# Allegro board TubiiPCB_V6.brd (continued)
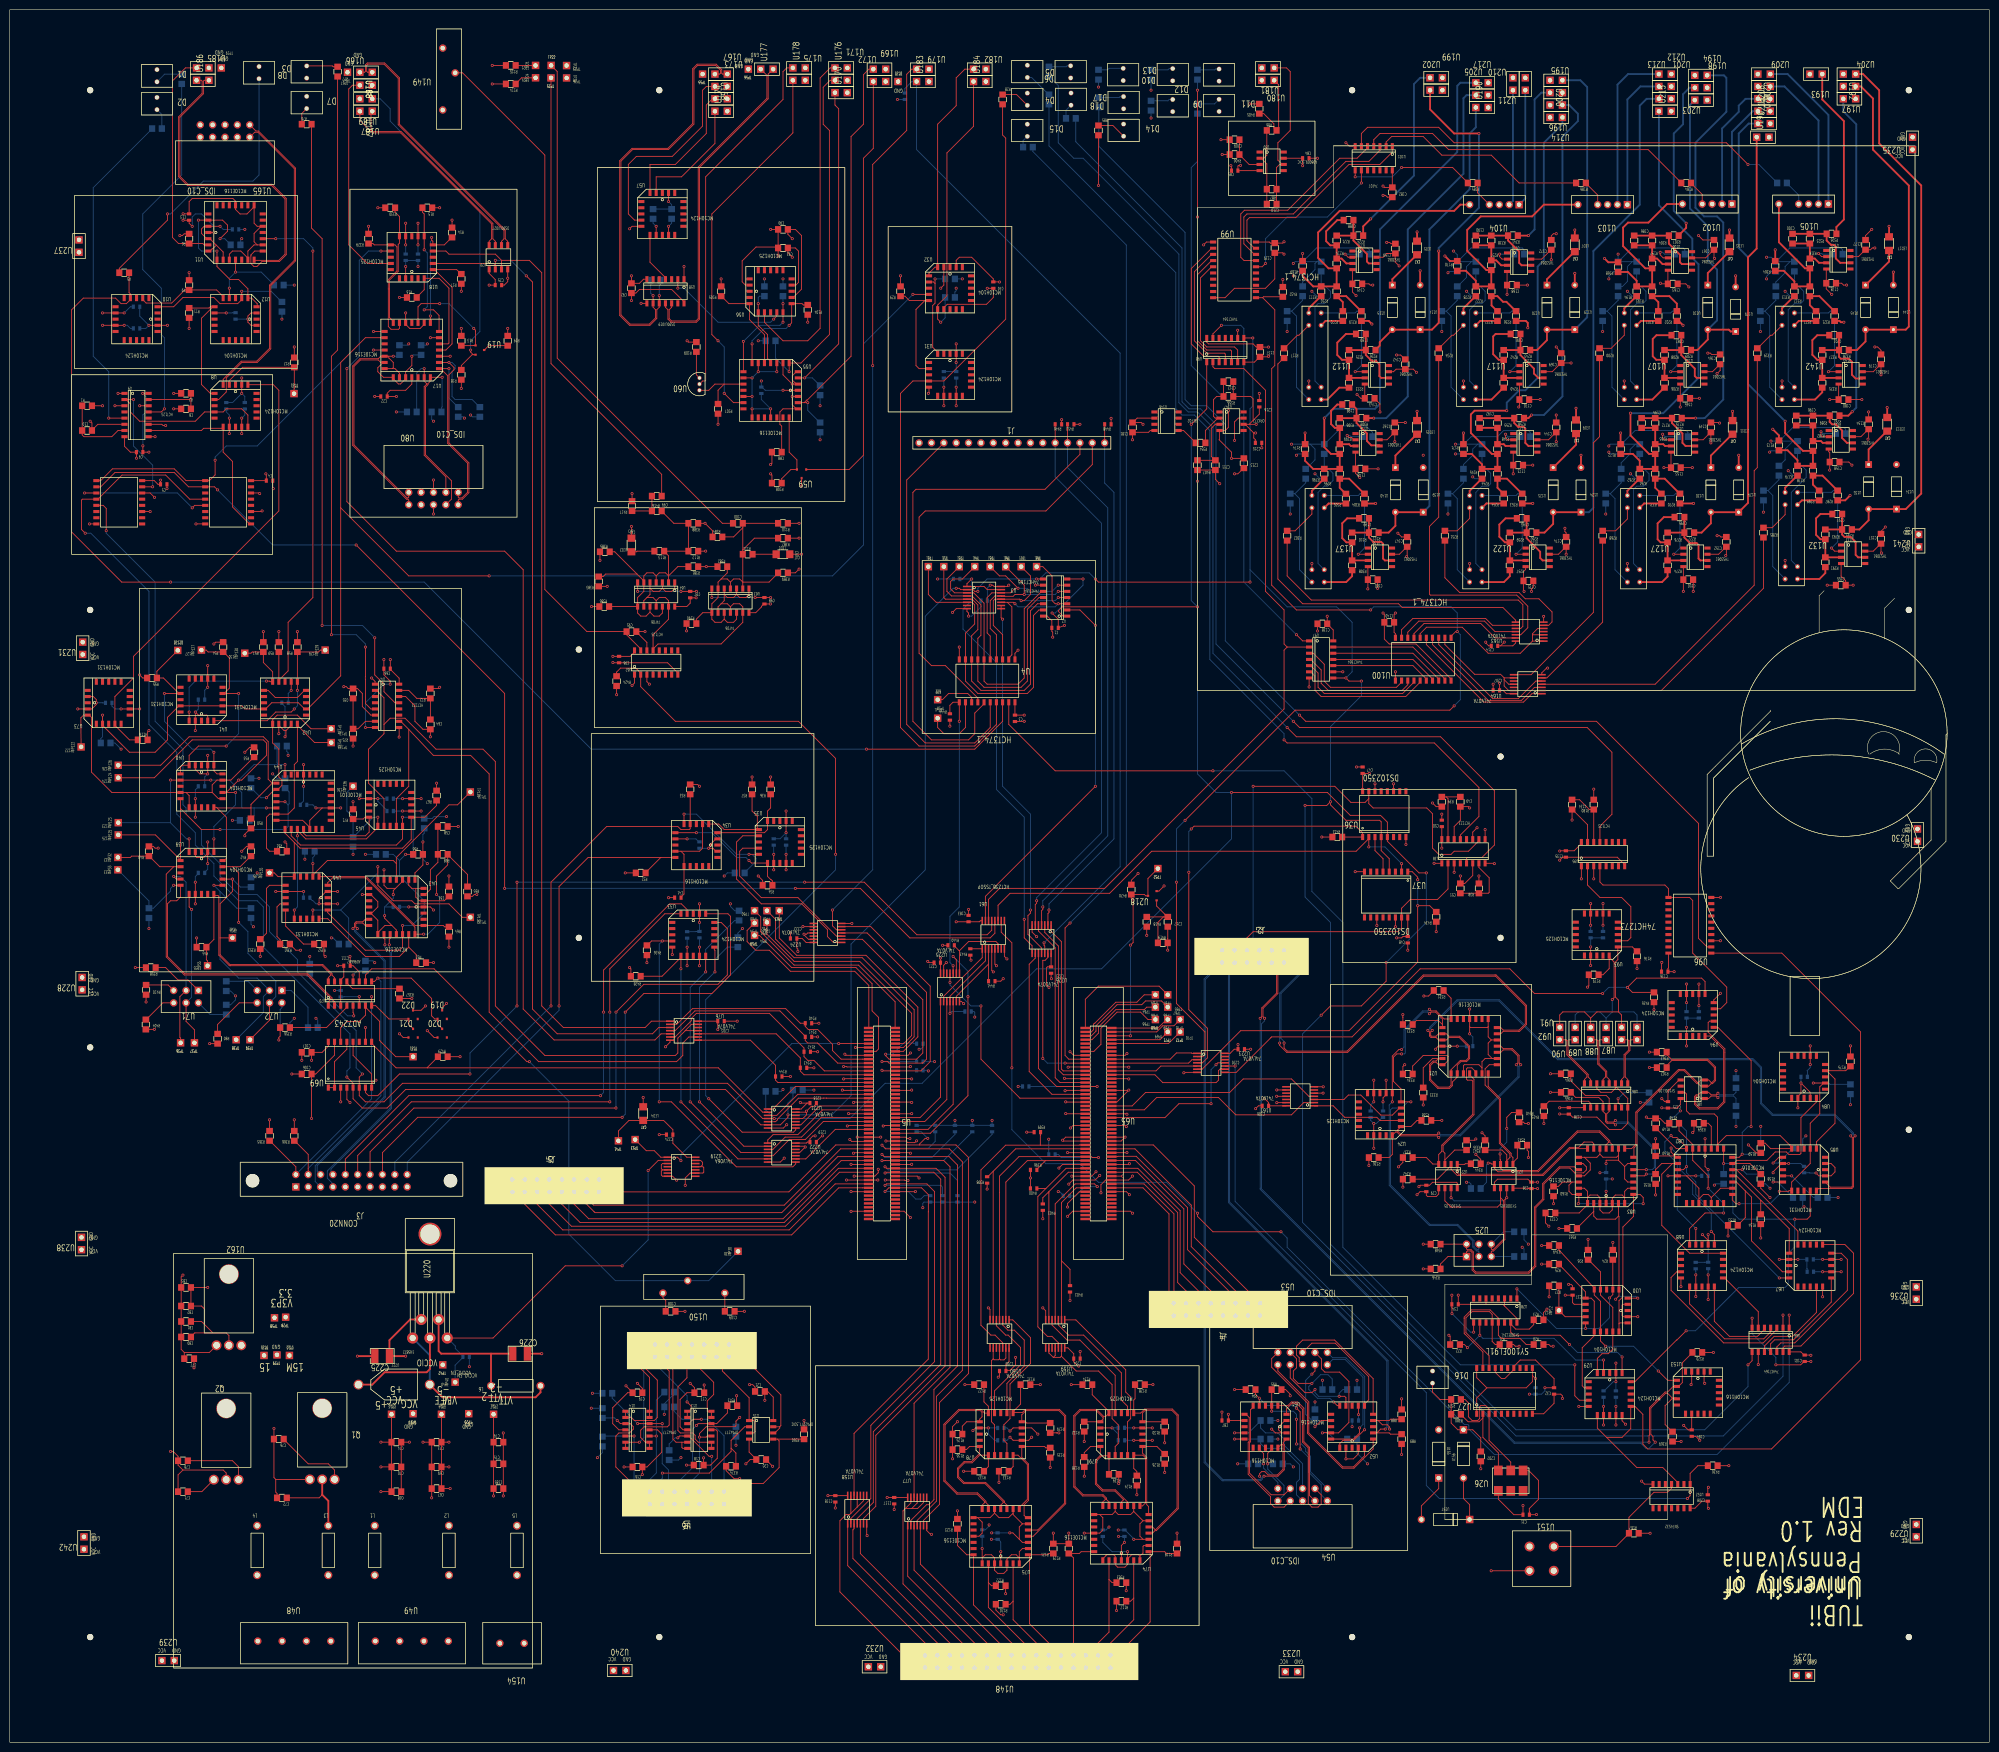
[diagram p0: board, top side]
## Routing (per net, layer and track width the routed paths; a pad name or vN(x,y) marks a point on that pad's centre or on a via; arc(x,y) is an arc through that point) (continued)
UNNAMED_1_BACKPORTS_I3_UNNU<14>: length 34.7
  TOP w0.178: J4.13 239.01,92.58 239.01,108.46 232.87,114.6 U65.81
UNNAMED_1_BACKPORTS_I3_UNNU<15>: length 32.7
  TOP w0.178: J4.15 238,91.06 238,108.46 232.66,113.8 U65.83
UNNAMED_1_BACKPORTS_I3_UNNUS<0>: length 59.4
  TOP w0.178: J5.15 159.96,112.97 169.59,122.6 U5.62
UNNAMED_1_BACKPORTS_I3_UNNUS<1>: length 64.6
  TOP w0.178: U5.64 170.57,121.8 159,110.24 119.89,110.24 118.43,111.69 J5.13
UNNAMED_1_BACKPORTS_I3_UNNUS<2>: length 67
  TOP w0.178: U5.68 169.98,120.2 158.5,108.71 120.14,108.71 119.96,108.89 119.96,108.89 J5.11
UNNAMED_1_BACKPORTS_I3_UNNUS<3>: length 70.3
  TOP w0.178: U5.70 175.14,119.4 175.12,119.38 170.69,119.38 158.75,107.44 118.87,107.44 J5.9
UNNAMED_1_BACKPORTS_I3_UNNUS<4>: length 72.8
  TOP w0.178: U5.74 170.12,117.8 159,106.68 117.09,106.68 J5.7
UNNAMED_1_BACKPORTS_I3_UNNUS<5>: length 75.6
  TOP w0.178: J5.5 115.32,105.92 159.26,105.92 170.34,117 U5.76
UNNAMED_1_BACKPORTS_I3_UNNUS<6>: length 77.8
  TOP w0.178: J5.3 113.54,105.16 160.02,105.16 169.46,114.6 U5.82
UNNAMED_1_BACKPORTS_I3_UNNUS<7>: length 80.8
  TOP w0.178: J5.1 112.01,104.14 160.53,104.14 170.18,113.79 175.13,113.79 175.14,113.8 U5.84
UNNAMED_1_BACKPORTS_I3_UNNUS<8>: length 50.1
  TOP w0.178: J4.1 243.19,103.64 243.19,114.19 234.78,122.6 U65.61
UNNAMED_1_BACKPORTS_I3_UNNUS<9>: length 46.1
  TOP w0.178: U65.63 231.01,121.8 242.57,110.24 242.57,101.73 J4.3
UNNAMED_1_BSS138_I128_1: length 14.4
  TOP w0.178: 237.69,169.4 C217.2 ; 237.69,169.4 236.84,169.4 ; 237.69,169.4 235.46,171.64 U218.1 ; 236.84,169.4 R418.2 ; 236.84,169.4 235.73,168.29 R419.2
UNNAMED_1_CAENBUFFER_I5_CNTRL: length 98.9
  TOP w0.178: R319.1 358.77,261.62 358.14,260.99 358.14,237.49 337.81,217.16 U164.4
UNNAMED_1_CAENBUFFER_I5_INANAL: length 29.2
  TOP w0.381: U105.5 363.22,307.87 368.56,302.53 R316.1 R312.1 R313.1 366.39,299.85 364.22,302.02 R364.2
UNNAMED_1_CAENBUFFER_I18_CNTRL: length 74.4
  TOP w0.178: U164.8 312.33,219.12 325.12,231.9 325.12,266.7 326.39,267.97 R200.1
UNNAMED_1_CAENBUFFER_I18_INANAL: length 38.5
  TOP w0.381: U102.5 340.23,315.72 336.42,311.91 332.23,311.91 331.22,310.9 331.22,307.09 335.77,302.53 R197.1 R193.1 R194.1 334.01,299.97 332.22,301.77 R168.2
UNNAMED_1_CAENBUFFER_I18_VREF5M: length 268.7
  TOP w0.178: 255.4,268.73 v1(255.78,268.73) ; 255.4,268.73 253.62,270.51 ; 255.4,268.73 255.4,267.69 255.73,267.36 C215.2 ; 255.27,271.32 255.27,275.73 254.78,276.23 R355.2 C212.2 ; 255.27,271.32 256.54,272.59 C216.2 ; 255.27,271.32 254.46,270.51 ; 253.62,270.51 U147.6 ; 253.62,270.51 254.46,270.51 ; 254.46,270.51 v1(255.91,270.51)
  VTT w0.178: 255.51,270.12 v1(255.91,270.51) ; v1(255.91,270.51) 255.51,270.9 ; v1(255.91,270.51) 256.3,270.9 ; v1(255.91,270.51) 256.3,270.12 ; v1(255.78,268.73) 256.17,268.34 ; v1(255.78,268.73) 256.17,269.13 ; v1(255.78,268.73) 255.38,268.34 ; v1(255.78,268.73) 255.38,269.13 ; v1(361.58,267.07) 361.98,266.67 ; v1(361.58,267.07) 361.19,266.67 ; v1(361.58,267.07) 361.19,267.46 ; v1(361.58,267.07) 361.98,267.46 ; 263.13,303.14 v1(263.52,303.53) ; v1(263.52,303.53) 263.13,303.92 ; v1(263.52,303.53) 263.92,303.92 ; v1(263.52,303.53) 263.92,303.14 ; v1(263.16,266.43) 263.55,266.04 ; v1(263.16,266.43) 262.77,266.82 ; v1(263.16,266.43) 263.55,266.82 ; v1(263.16,266.43) 262.77,266.04 ; v1(296.81,266.43) 297.21,266.82 ; v1(296.81,266.43) 296.42,266.82 ; v1(296.81,266.43) 296.42,266.04 ; v1(296.81,266.43) 297.21,266.04 ; 360.29,304.41 v1(360.68,304.8) ; v1(360.68,304.8) 361.07,305.19 ; v1(360.68,304.8) 360.29,305.19 ; v1(360.68,304.8) 361.07,304.41 ; v1(330.2,305.44) 330.59,305.04 ; v1(330.2,305.44) 330.59,305.83 ; v1(330.2,305.44) 329.81,305.04 ; v1(330.2,305.44) 329.81,305.83 ; 296.02,306.46 v1(296.42,306.07) ; v1(296.42,306.07) 296.81,306.46 ; v1(296.42,306.07) 296.81,305.68 ; v1(296.42,306.07) 296.02,305.68 ; v1(328.29,266.06) 328.69,266.46 ; v1(328.29,266.06) 327.9,266.46 ; v1(328.29,266.06) 328.69,265.67 ; v1(328.29,266.06) 327.9,265.67
  BOTTOM w0.178: 265.48,303.9 268.34,303.9 ; 265.48,303.9 268.29,306.7 278.76,306.7 279.13,306.34 R218.1 ; 265.48,303.9 C146.2 263.89,303.9 v1(263.52,303.53) ; 268.34,303.9 R213.1 ; 268.34,303.9 267.97,303.53 267.97,302.26 265.43,299.72 R212.1 ; 363.27,267.07 366.08,269.88 376.55,269.88 376.92,269.51 R286.1 ; 363.27,267.07 366.13,267.07 ; 363.27,267.07 C166.2 v1(361.58,267.07) ; 298.5,266.43 C156.2 v1(296.81,266.43) ; 298.5,266.43 301.36,266.43 ; 298.5,266.43 300.04,267.97 305.44,267.97 306.7,269.24 311.78,269.24 312.15,268.87 R252.1 ; 301.36,266.43 R247.1 ; 301.36,266.43 300.35,265.43 300.35,264.16 298.45,262.25 R246.1 ; 365.49,303.9 362.64,303.9 ; 365.49,303.9 364.49,302.89 364.49,301.62 362.58,299.72 R314.1 ; 365.49,303.9 R315.1 ; 362.64,303.9 365.45,306.7 375.92,306.7 376.29,306.34 R320.1 ; 362.64,303.9 C176.2 362.53,303.9 361.63,304.8 v1(360.68,304.8) ; 333.74,266.43 332.68,265.37 332.68,264.47 330.83,262.62 R263.1 ; 333.74,266.43 R264.1 ; 333.74,266.43 330.89,266.43 ; v1(328.29,266.06) 328.66,266.43 C161.2 330.89,266.43 ; v1(263.16,266.43) C171.2 266.97,266.43 ; 366.13,267.07 R281.1 ; 366.13,267.07 364.49,265.43 364.49,263.2 363.27,261.99 R280.1 ; 266.97,266.43 R298.1 269.93,266.43 273.69,270.19 278.45,270.19 279.77,268.87 R303.1 ; 266.97,266.43 267.97,265.43 267.97,263.2 266.12,261.35 R297.1 ; 330.89,266.43 333.7,269.24 344.17,269.24 344.54,268.87 R269.1 ; 330.25,303.9 333.11,303.9 ; 330.25,303.9 C141.2 v1(330.2,305.44) ; 330.25,303.9 333.06,306.7 343.53,306.7 343.9,306.34 R201.1 ; 333.11,303.9 332.1,302.89 332.1,299.82 331.1,298.82 R195.1 ; 333.11,303.9 R196.1 ; 297.23,303.9 300.04,306.7 310.51,306.7 310.88,306.34 R235.1 ; 297.23,303.9 C151.2 297.18,305.31 v1(296.42,306.07) ; 297.23,303.9 300.09,303.9 ; 300.09,303.9 299.08,302.89 299.08,300.67 297.23,298.82 R229.1 ; 300.09,303.9 R230.1
UNNAMED_1_CAENBUFFER_I19_CNTRL: length 98.6
  TOP w0.178: R217.1 261.57,284.11 260.35,282.9 260.35,238.76 265.43,233.68 285.11,233.68 285.88,232.92 306.54,232.92 309.17,230.29 U163.8
UNNAMED_1_CAENBUFFER_I19_INANAL: length 56
  TOP w0.381: R169.2 265.43,300.99 267.6,298.82 R211.1 R210.1 R214.1 270.75,302.53 268.6,304.67 268.6,309.88 273.05,314.32 296.54,314.32 297.81,315.6 U104.5
UNNAMED_1_CAENBUFFER_I20_CNTRL: length 78
  TOP w0.178: U163.12 310.21,227.31 311.66,228.75 311.66,233.17 309.37,235.46 291.64,235.46 291.46,235.64 291.46,249.56 293.37,251.46 R234.1
UNNAMED_1_CAENBUFFER_I20_INANAL: length 48.1
  TOP w0.381: R170.2 298.94,302.02 300.99,299.97 R228.1 R227.1 R231.1 303.16,302.16 299.21,306.11 299.21,310.39 302,313.18 312.55,313.18 314.96,315.6 U103.5
UNNAMED_1_CAENBUFFER_I21_CNTRL: length 36.6
  TOP w0.178: R251.1 294.64,239.01 297.69,235.97 309.88,235.97 311.15,234.7 313.94,234.7 316.64,232 316.64,229.94 315.95,229.26 U163.6
UNNAMED_1_CAENBUFFER_I23_CNTRL: length 64.6
  TOP w0.178: R285.1 360.04,236.86 339.05,215.86 U164.2
UNNAMED_1_CAENBUFFER_I24_CNTRL: length 64.2
  TOP w0.178: R302.1 262.25,239.39 267.21,234.44 309.7,234.44 310.64,233.5 310.64,229.04 310.21,228.61 U163.10
UNNAMED_1_CAENCOMS_I8_DATARDY: length 246.7
  TOP w0.178: 257.23,296.49 U99.11 ; 257.23,296.49 259.71,294 259.71,282.57 259.08,281.94 259.08,237.49 264.16,232.41 v1(279.4,232.41) ; 257.23,296.49 257.42,296.69 R432.1 ; v1(296.54,212.73) 295.66,211.84 263.91,211.84 v1(241.3,189.23) ; U223.2 243.8,140.72 244.93,140.72 245.36,141.15 245.36,145.8 239.52,151.64 v1(239.52,176.53) ; U100.11 295.91,227.01 296.86,227.97 v1(297.18,227.97)
  BOTTOM w0.178: v1(241.3,189.23) 239.52,187.45 v1(239.52,176.53) ; v1(296.54,212.73) 297.81,214 297.81,227.33 v1(297.18,227.97) 297.18,231.77 295.91,233.05 280.03,233.05 v1(279.4,232.41)
UNNAMED_1_CAENCOMS_I8_GT2P: length 320.1
  TOP w0.178: U32.7 v1(185.42,297.18) ; 67.95,253.37 67.95,283.21 73.03,288.29 U17.20 ; 67.95,253.37 67.95,218.88 61.15,212.09 U42.5 60.52,212.09 59.25,213.36 53.78,213.36 52.51,212.09 U42.17 48.26,212.09 47.62,212.73 U41.5 U41.17 34.73,212.73 32.39,210.38 32.39,205.74 29.85,203.2 24.57,203.2 19.05,208.72 U73.5 v1(19.05,210.82) ; 67.95,253.37 81.92,239.39 v1(98.42,239.39)
  BOTTOM w0.178: v1(185.42,297.18) 175.26,287.02 175.26,245.75 168.91,239.39 v1(98.42,239.39) ; R56.2 18.68,206.01 19.05,206.38 v1(19.05,210.82)
UNNAMED_1_CAENCOMS_I8_GTTTL: length 293
  TOP w0.178: U76.5 133.72,145.4 132.46,144.15 111.76,144.15 105.41,150.5 105.41,240.67 101.6,244.48 79.38,244.48 69.22,254.63 v1(69.22,281.94) ; U1.1 18.67,258.95 21.08,261.37 33.78,261.37 36.19,258.95 U7.1 40.99,258.95 42.16,260.13 v1(42.16,263.14) ; U18.15 v1(76.2,306.07)
  BOTTOM w0.178: v1(69.22,281.94) 71.76,284.48 71.76,287.02 ; 71.76,287.02 71.76,304.17 73.66,306.07 v1(76.2,306.07) ; 71.76,287.02 50.8,266.06 44.45,266.06 42.16,263.78 v1(42.16,263.14)
UNNAMED_1_CAENCOMS_I8_SYNC24TTL: length 205.3
  TOP w0.178: U18.7 89.53,306.07 90.17,305.44 99.7,305.44 100.97,304.17 ; 100.97,304.17 106.68,304.17 109.22,301.62 109.22,151.13 113.67,146.69 130.43,146.69 131.75,148.01 U76.1 ; 100.97,304.17 U20.3
UNNAMED_1_CAENCOMS_I8_SYNCTTL: length 204.4
  TOP w0.178: 99.7,303.18 v1(99.7,304.17) ; 99.7,303.18 99.34,303.53 U18.5 ; 99.7,303.18 99.7,302.32 ; U76.3 133.24,146.71 131.95,145.41 112.4,145.41 107.31,150.5 107.31,299.72 v1(106.05,300.99)
  BOTTOM w0.178: v1(106.05,300.99) 102.87,304.17 v1(99.7,304.17)
UNNAMED_1_CHANGECLKS_I3_BCKPC_1: length 36.7
  TOP w0.178: R344.1 298.83,118.75 298.7,118.62 297.24,118.62 U22.1 297.18,116.84 297.43,116.59 314.71,116.59 320.22,122.1 322.12,122.1 323.21,123.19 324.87,123.19 325.2,122.86 U83.17
UNNAMED_1_CHANGECLKS_I3_BCKPC_2: length 51.6
  TOP w0.178: U83.21 321.83,117.52 321.24,118.11 318.13,118.11 314.71,114.68 314.71,111.51 313.05,109.86 313.05,97.79 311.78,96.52 300.99,96.52 300.48,97.03 300.48,100.64 300.03,101.09 299.26,101.09 299.08,101.27 U25.4 R348.2
UNNAMED_1_CHANGECLKS_I3_BCKPC_3: length 57.6
  TOP w0.178: U83.20 323,118.79 323.69,118.11 323.69,117.46 323.09,116.86 321.29,116.86 320.29,117.86 318.24,117.86 314.96,114.57 314.96,111.4 313.31,109.75 313.31,97.68 311.89,96.27 300.88,96.27 300.23,96.92 300.23,100.53 299.92,100.84 299.26,100.84 299.08,100.66 U25.1 295.27,99.69 293.74,98.16 R346.2
UNNAMED_1_CHANGECLKS_I3_BCKPCLK: length 41
  TOP w0.178: 295.91,118.36 293.12,115.57 R342.1 ; 295.91,118.36 295.91,117.6 297.18,116.33 314.81,116.33 320.32,121.84 U83.18 ; 295.91,118.36 U22.2
UNNAMED_1_CHANGECLKS_I3_CHANG_1: length 163
  TOP w0.178: R333.2 290.19,138.43 292.1,140.34 293.33,140.34 ; v1(292.04,146.11) 291.72,145.79 291.72,145.08 291.9,144.91 292.82,144.91 293.33,145.41 U21.27 294.93,145.41 295.44,144.91 297.69,144.91 299.72,142.88 299.72,140.34 299.08,139.7 297.92,139.7 297.18,138.96 U21.6 297.18,136.53 296.16,135.51 296.16,134.77 295.61,134.22 293.16,134.22 291.46,135.91 291.46,139.06 292.23,139.83 292.82,139.83 293.33,140.34 ; 293.33,140.34 U21.3 ; v1(377.96,124.46) 378.28,124.14 378.28,114.11 378.1,113.93 373.75,113.93 U85.19
  BOTTOM w0.178: v1(292.04,146.11) 291.72,146.44 291.72,146.61 297.25,152.15 305.73,152.15 317.8,140.08 357.76,140.08 359.41,138.43 359.41,131.08 361.84,128.65 374.59,128.65 378.28,124.96 378.28,124.78 v1(377.96,124.46)
UNNAMED_1_CHANGECLKS_I3_CHANGEC: length 168.8
  TOP w0.178: U85.18 371.39,113.68 378.21,113.68 378.54,114 378.54,124.14 v1(378.86,124.46) ; v1(291.14,146.11) 291.46,145.79 291.46,144.98 291.79,144.65 292.82,144.65 293.33,144.15 U21.28 294.93,144.15 295.44,144.65 297.58,144.65 299.47,142.77 299.47,140.44 298.98,139.95 297.81,139.95 295.91,138.05 U21.5 295.91,134.87 295.51,134.47 293.27,134.47 291.72,136.02 291.72,138.96 292.33,139.57 292.82,139.57 293.33,139.06 U21.4 294.45,139.06 295.27,139.89 295.27,140.79 295.1,140.97 290.19,140.97 288.02,138.8 R334.2
  BOTTOM w0.178: v1(378.86,124.46) 378.54,124.78 378.54,125.07 374.7,128.91 361.95,128.91 359.66,131.19 359.66,138.54 357.87,140.34 317.91,140.34 305.84,152.4 297.14,152.4 291.46,146.72 291.46,146.44 v1(291.14,146.11)
UNNAMED_1_CHANGECLKS_I3_DEFAU_1: length 42.6
  TOP w0.178: U83.14 329.01,122.64 328.5,123.15 328.5,123.43 326.46,125.48 321.82,125.48 313.69,117.35 306.58,117.35 306.07,117.86 U23.3 306.07,119.53 305.97,119.63 v1(305.97,120.75) ; R340.2 308.34,129.27 307.34,128.27 v1(307.34,125.98)
  BOTTOM w0.178: v1(307.34,125.98) 307.34,123.19 305.97,121.82 v1(305.97,120.75)
UNNAMED_1_CHANGECLKS_I3_DEFAULT: length 37.6
  TOP w0.178: v1(303.53,118.87) 304.05,118.87 304.24,118.68 U23.4 304.8,117.83 305.53,117.09 313.8,117.09 321.92,125.22 326.35,125.22 328.24,123.33 328.24,123.15 327.74,122.64 U83.15
  BOTTOM w0.178: R339.2 301.99,113.72 303.16,114.88 303.16,118.5 v1(303.53,118.87)
UNNAMED_1_CLOCKS_I2_BCKPUSED: length 19.1
  TOP w0.178: U161.1 271.7,130.63 274.07,128.27 280.67,128.27 281.3,127.63 285.62,127.63
UNNAMED_1_CLOCKS_I2_CLK100TTL: length 20.5
  TOP w0.178: U161.3 273.92,131.93 274.83,132.84 277.37,132.84 281.48,128.73 283.86,128.73 285.31,130.18 285.62,130.18
UNNAMED_1_CLOCKS_I2_CLKSEL: length 235
  TOP w0.178: v1(321.31,77.47) 321.31,71.12 322.23,70.2 U29.7 ; U4.19 205.1,208.92 214.63,199.39 v1(247.02,199.39)
  BOTTOM w0.178: v1(321.31,77.47) 297.81,77.47 273.69,101.6 273.69,168.28 267.33,174.62 267.33,193.68 261.62,199.39 v1(247.02,199.39)
UNNAMED_1_CLOCKS_I2_DATARDY: length 119.5
  TOP w0.178: U94.9 348.06,156.13 347.34,156.84 334.01,156.84 v1(332.1,154.94) 333.14,153.91 R435.1 ; U223.8 251.8,137.5 258.9,144.6 258.9,144.6 259.07,144.78 275.59,144.78 289.56,158.75 307.97,158.75 313.05,153.67 v1(327.02,153.67)
  BOTTOM w0.178: v1(332.1,154.94) 328.29,154.94 v1(327.02,153.67)
UNNAMED_1_CLOCKS_I2_RESET: length 168.8
  TOP w0.178: U223.10 v1(251.58,138.8) ; R436.1 346.58,56.77 344.99,55.17 U152.1 344.99,50.6 v1(344.42,50.04)
  BOTTOM w0.178: v1(251.58,138.8) 251.58,111.01 290.83,71.75 290.83,52.7 293.5,50.04 v1(344.42,50.04)
UNNAMED_1_CNTRLREGISTER_I10_DAT: length 60.6
  TOP w0.178: v1(193.68,159.38) 193.68,157.82 U225.10 ; R444.2 193.01,212.83 193.65,213.46 U4.11 v1(194.94,209.55)
  BOTTOM w0.178: v1(194.94,209.55) 194.94,171.45 193.03,169.53 193.03,160.03 v1(193.68,159.38)
UNNAMED_1_CNTRLREGISTER_I10_ECA: length 168.5
  TOP w0.178: U4.17 202.56,208.92 198.12,204.47 186.69,204.47 182.88,208.28 182.88,276.86 185.42,279.4 U31.7 191.77,279.4 204.47,292.1 204.47,329.25 203.84,329.89 R28.1
UNNAMED_1_CNTRLREGISTER_I10_LOS: length 281
  TOP w0.178: v1(175.9,203.83) 198.12,203.83 203.84,209.55 U4.18 ; v1(33.02,238.12) 22.99,238.12 12.7,248.41 12.7,294 15.11,296.42 21.72,296.42 22.86,295.27 23.94,295.27 24.76,296.1 U10.7 24.76,297.27 24.5,297.54 R5.2
  BOTTOM w0.178: v1(175.9,203.83) 119.38,203.83 85.09,238.12 v1(33.02,238.12)
UNNAMED_1_CNTRLREGISTER_I10_REA: length 95
  TOP w0.178: v1(208.28,168.91) 208.28,165.1 209.89,163.49 U226.8 ; v1(197.49,238.76) 196.52,237.79 U3.1 200.03,237.23 200.68,236.58 U3.15
  BOTTOM w0.178: v1(208.28,168.91) 208.28,189.87 202.56,195.58 202.56,221.62 195.7,228.48 195.7,232.53 197.49,234.31 v1(197.49,238.76) R449.2
UNNAMED_1_CNTRLREGISTER_I10_REG: length 75.2
  TOP w0.178: U226.11 211.84,163.02 209.04,165.82 209.04,169.67 209.55,170.18 v1(209.55,170.81) ; U3.10 U3.9 203.53,230.81 v1(203.84,230.5)
  BOTTOM w0.178: v1(209.55,170.81) 209.55,190.5 203.84,196.22 v1(203.84,230.5)
UNNAMED_1_COTO2342_I1_CTRLIN: length 7
  TOP w0.178: R319.2 358.83,286.12 361.5,288.79 361.82,288.79 U142.2
UNNAMED_1_COTO2342_I1_CTRLIN_1: length 8.2
  TOP w0.178: U107.2 331.47,288.8 328.79,286.12 R200.2
UNNAMED_1_COTO2342_I1_CTRLIN_2: length 7
  TOP w0.178: U112.2 264.66,288.79 264.35,288.79 261.67,286.12 R217.2
UNNAMED_1_COTO2342_I1_CTRLIN_3: length 7
  TOP w0.178: R234.2 293.42,286.12 296.1,288.79 296.41,288.79 U117.2
UNNAMED_1_COTO2342_I1_CTRLIN_4: length 8.3
  TOP w0.178: U122.2 299.72,251.21 297.16,248.65 R251.2
UNNAMED_1_COTO2342_I1_CTRLIN_5: length 8.4
  TOP w0.178: 332.1,253.37 332.1,251.08 329.68,248.65 R268.2
UNNAMED_1_COTO2342_I1_CTRLIN_6: length 7.6
  TOP w0.178: R285.2 361.81,249.29 364.49,251.97 U132.2
UNNAMED_1_COTO2342_I1_CTRLIN_7: length 7.8
  TOP w0.178: R302.2 263.89,248.65 267.33,252.1 U137.2
UNNAMED_1_COTO2342_I1_IN1: length 7.3
  TOP w0.381: R325.1 372.11,277.08 370.62,275.59 U142.5
UNNAMED_1_COTO2342_I1_IN1_1: length 6.7
  TOP w0.381: U107.5 337.23,275.59 339.67,278.03 R206.1
UNNAMED_1_COTO2342_I1_IN1_2: length 6.7
  TOP w0.381: U112.5 270.51,275.59 272.95,278.03 R223.1
UNNAMED_1_COTO2342_I1_IN1_3: length 6.7
  TOP w0.381: U117.5 304.21,275.59 306.65,278.03 R240.1
UNNAMED_1_COTO2342_I1_IN1_4: length 7.4
  TOP w0.381: U122.5 306.76,238.12 307.97,239.34 R257.1
UNNAMED_1_COTO2342_I1_IN1_5: length 7.5
  TOP w0.381: U127.5 339.22,238.12 340.36,239.27 R274.1
UNNAMED_1_COTO2342_I1_IN1_6: length 7.4
  TOP w0.381: R291.1 372.74,239.98 371.53,238.76 U132.5
UNNAMED_1_COTO2342_I1_IN1_7: length 7.4
  TOP w0.381: 269.88,238.12 274.37,238.12 275.59,239.34 R308.1
UNNAMED_1_COTO2342_I1_IN2: length 8.4
  BOTTOM w0.178: R324.1 373.75,293.74 373.38,293.37 U142.8
UNNAMED_1_COTO2342_I1_IN2_1: length 8.4
  BOTTOM w0.178: R205.1 341.36,293.74 340.99,293.37 U107.8
UNNAMED_1_COTO2342_I1_IN2_2: length 8.4
  BOTTOM w0.178: U112.8 276.22,293.37 276.59,293.74 R222.1
UNNAMED_1_COTO2342_I1_IN2_3: length 8.4
  BOTTOM w0.178: U117.8 307.97,293.37 308.34,293.74 R239.1
UNNAMED_1_COTO2342_I1_IN2_4: length 8.4
  BOTTOM w0.178: U122.8 309.24,255.91 309.61,256.27 R256.1
UNNAMED_1_COTO2342_I1_IN2_5: length 8.4
  BOTTOM w0.178: R273.1 342,256.27 341.63,255.91 U127.8
UNNAMED_1_COTO2342_I1_IN2_6: length 8.4
  BOTTOM w0.178: R290.1 374.38,256.91 374.01,256.54 U132.8
UNNAMED_1_COTO2342_I1_IN2_7: length 8.4
  BOTTOM w0.178: 269.88,255.91 276.86,255.91 277.23,256.27 R307.1
UNNAMED_1_COTO2342_I1_NC1: length 4.8
  TOP w0.381: U142.7 367.3,291.73 R322.2
UNNAMED_1_COTO2342_I1_NC1_1: length 4.8
  TOP w0.381: U107.7 334.91,291.73 R203.2
UNNAMED_1_COTO2342_I1_NC1_2: length 4.8
  TOP w0.381: U112.7 270.14,291.73 R220.2
UNNAMED_1_COTO2342_I1_NC1_3: length 4.8
  TOP w0.381: U117.7 301.89,291.73 R237.2
UNNAMED_1_COTO2342_I1_NC1_4: length 4.8
  TOP w0.381: R254.2 303.16,254.27 U122.7
UNNAMED_1_COTO2342_I1_NC1_5: length 4.8
  TOP w0.381: U127.7 335.55,254.27 R271.2
UNNAMED_1_COTO2342_I1_NC1_6: length 4.8
  TOP w0.381: R288.2 367.93,254.9 U132.7
UNNAMED_1_COTO2342_I1_NC1_7: length 4.8
  TOP w0.381: 269.88,253.37 270.76,254.25 R305.2
UNNAMED_1_COTO2342_I1_NC2: length 27.7
  BOTTOM w0.178: U142.6 365.12,279.4 365.12,294 366.39,295.27 367.66,295.27 368.3,295.91 368.3,297.81 367.3,298.82 R318.2 R315.2
UNNAMED_1_COTO2342_I1_NC2_1: length 27.7
  BOTTOM w0.178: R196.2 R199.2 334.91,298.82 335.91,297.81 335.91,295.91 335.28,295.27 334.01,295.27 332.74,294 332.74,279.4 U107.6
UNNAMED_1_COTO2342_I1_NC2_2: length 27.7
  BOTTOM w0.178: U112.6 267.97,279.4 267.97,294.64 268.6,295.27 269.88,295.27 271.14,296.54 271.14,297.81 270.14,298.82 R216.2 R213.2
UNNAMED_1_COTO2342_I1_NC2_3: length 27.7
  BOTTOM w0.178: U117.6 299.72,279.4 299.72,294 300.99,295.27 302.26,295.27 302.89,295.91 302.89,297.81 301.89,298.82 R233.2 R230.2
UNNAMED_1_COTO2342_I1_NC2_4: length 27.6
  BOTTOM w0.178: U122.6 300.99,241.94 300.99,256.54 302.26,257.81 303.53,257.81 304.04,258.32 304.04,260.47 303.16,261.35 R250.2 R247.2
UNNAMED_1_COTO2342_I1_NC2_5: length 27.7
  BOTTOM w0.178: U127.6 333.38,241.94 333.38,257.18 334.01,257.81 335.37,257.81 336.55,258.99 336.55,260.35 335.55,261.35 R267.2 R264.2
UNNAMED_1_COTO2342_I1_NC2_6: length 26.8
  BOTTOM w0.178: U132.6 365.76,242.57 365.76,256.54 368.81,259.59 368.81,261.11 367.93,261.99 R284.2 R281.2
UNNAMED_1_COTO2342_I1_NC2_7: length 27.2
  BOTTOM w0.178: R298.2 R301.2 270.78,261.35 271.66,260.47 271.66,258.95 270.51,257.81 269.88,257.81 268.6,256.54 268.6,241.94 269.88,240.67
UNNAMED_1_COTO2342_I1_NO1: length 4.5
  TOP w0.381: U142.1 363.85,294.33 366.34,296.81 R313.2
UNNAMED_1_COTO2342_I1_NO1_1: length 4.5
  TOP w0.381: U107.1 331.47,294.33 333.96,296.81 R194.2
UNNAMED_1_COTO2342_I1_NO1_2: length 4.5
  TOP w0.381: R211.2 269.19,296.81 266.7,294.33 U112.1
UNNAMED_1_COTO2342_I1_NO1_3: length 4.5
  TOP w0.381: R228.2 300.94,296.81 298.45,294.33 U117.1
UNNAMED_1_COTO2342_I1_NO1_4: length 4.5
  TOP w0.381: U122.1 299.72,256.86 302.21,259.35 R245.2
UNNAMED_1_COTO2342_I1_NO1_5: length 4.5
  TOP w0.381: R262.2 334.59,259.35 332.1,256.86 332.1,255.91
UNNAMED_1_COTO2342_I1_NO1_6: length 4.5
  TOP w0.381: R279.2 366.98,259.98 364.49,257.5 U132.1
UNNAMED_1_COTO2342_I1_NO1_7: length 4.5
  TOP w0.381: R296.2 269.82,259.35 267.33,256.86 U137.1
UNNAMED_1_COTO2342_I1_NO2: length 24.6
  BOTTOM w0.178: U142.4 361.31,278.13 361.31,292.74 360.31,293.74 ; R314.2 362.58,295.96 360.36,293.74 360.31,293.74 ; 360.31,293.74 R317.2
UNNAMED_1_COTO2342_I1_NO2_1: length 24.6
  BOTTOM w0.178: R198.2 327.93,293.74 ; 327.93,293.74 327.97,293.74 330.2,295.96 R195.2 ; 327.93,293.74 328.93,292.74 328.93,278.13 U107.4
UNNAMED_1_COTO2342_I1_NO2_2: length 24.6
  BOTTOM w0.178: R212.2 265.43,295.96 263.2,293.74 263.16,293.74 ; 263.16,293.74 264.16,292.74 264.16,278.13 U112.4 ; 263.16,293.74 R215.2
UNNAMED_1_COTO2342_I1_NO2_3: length 24.6
  BOTTOM w0.178: U117.4 295.91,278.13 295.91,292.74 294.91,293.74 ; 294.91,293.74 R232.2 ; 294.91,293.74 294.95,293.74 297.18,295.96 R229.2
UNNAMED_1_COTO2342_I1_NO2_4: length 24.6
  BOTTOM w0.178: 296.18,256.27 296.22,256.27 298.45,258.5 R246.2 ; 296.18,256.27 R249.2 ; 296.18,256.27 297.18,255.27 297.18,240.67 U122.4
UNNAMED_1_COTO2342_I1_NO2_5: length 24.6
  BOTTOM w0.178: 328.56,256.27 329.56,255.27 329.56,240.67 332.1,238.12 ; 328.56,256.27 R266.2 ; 328.56,256.27 328.61,256.27 330.83,258.5 R263.2
UNNAMED_1_COTO2342_I1_NO2_6: length 24.6
  BOTTOM w0.178: 360.95,256.91 361.95,255.91 361.95,241.3 U132.4 ; 360.95,256.91 360.99,256.91 363.22,259.13 R280.2 ; 360.95,256.91 R283.2
UNNAMED_1_COTO2342_I1_NO2_7: length 24.6
  BOTTOM w0.178: 263.79,256.27 263.84,256.27 266.06,258.5 R297.2 ; 263.79,256.27 R300.2 ; 263.79,256.27 264.79,255.27 264.79,240.67 U137.4
UNNAMED_1_CSMD0603_I10_B_1: length 20.8
  TOP w0.178: C41.2 137.82,173.48 138.43,174.09 U34.14 138.43,182.24 137.79,182.88 ; U34.5 142.24,183.52 141.6,182.88 137.79,182.88 ; 137.79,182.88 U34.12
UNNAMED_1_CSMD0603_I54_B: length 25.1
  TOP w0.178: U74.4 232.03,38.19 ; 232.03,38.19 231.74,38.48 230.31,38.48 229.49,37.66 ; 232.03,38.19 232.66,38.83 232.66,40.21 232.84,40.39 233.81,40.39 ; U74.26 224.41,37.66 225.04,38.29 225.04,38.3 225.22,38.48 226.66,38.48 226.95,38.19 U74.28 226.95,36.44 227.45,35.94 228.94,35.94 229.49,36.49 U74.2 229.49,37.66 ; v1(229.49,39.12) 229.49,37.66
  BOTTOM w0.178: v1(229.49,39.12) 226.31,39.12 224.41,41.02 C113.2
UNNAMED_1_CSMD0603_I55_A: length 24.2
  TOP w0.178: 199.64,37.85 200.28,38.48 201.55,38.48 202.18,37.85 U75.28 202.18,35.31 202.82,34.67 204.09,34.67 204.72,35.31 U75.2 204.72,37.56 205.65,38.48 206.63,38.48 207.26,37.85 ; 199.64,37.85 U75.26 ; 199.64,37.85 v1(199.64,39.75) ; 207.26,37.85 207.26,39.12 207.9,39.75 U75.6 ; 207.26,37.85 U75.4
  BOTTOM w0.178: v1(199.64,39.75) C115.1
UNNAMED_1_CSMD0805_I12_B: length 12.6
  TOP w0.178: 247.47,263.13 C211.2 ; 247.47,263.13 246.68,263.92 246.68,269.7 247.5,270.51 U147.3 ; 247.47,263.13 R407.2
UNNAMED_1_CSMD0805_I13_B: length 12.8
  TOP w0.178: C51.2 R38.2 303.55,174.26 303.73,174.44 303.73,177.44 301.62,179.55 U38.7
UNNAMED_1_CSMD0805_I14_B: length 15.3
  TOP w0.178: U9.7 22.22,269.24 20.95,267.97 15.24,267.97 14.87,268.34 C10.2 R1.2
UNNAMED_1_CSMD0805_I14_B_1: length 12.6
  TOP w0.178: U38.15 295.27,193.68 294.91,194.04 ; 294.91,194.04 C49.2 ; 294.91,194.04 R39.2
UNNAMED_1_CSMD0805_I15_B: length 12
  TOP w0.178: U9.15 36.83,275.59 37.2,275.96 ; R2.2 37.2,275.96 ; 37.2,275.96 C8.2
UNNAMED_1_CSMD0805_I21_B_8: length 110.7
  TOP w0.178: C100.2 146.3,250.19 112.4,284.1 112.4,342.93 TP22.1
UNNAMED_1_CSMD0805_I22_A: length 7.1
  TOP w0.178: C99.1 R416.2 R417.2
UNNAMED_1_CSMD0805_I22_B: length 95.2
  TOP w0.178: C99.2 133.84,260.24 111.12,282.96 TP25.1
UNNAMED_1_CSMD0805_I23_B: length 140
  TOP w0.178: U62.15 129.54,224.41 126.63,227.31 C95.2 118.49,227.97 109.86,236.6 109.86,325.75 92.96,342.65 U149.2
UNNAMED_1_CSMD0805_I46_B: length 11.4
  TOP w0.178: C64.2 R72.2 83.55,214.26 81.92,215.9 U47.15
UNNAMED_1_CSMD0805_I57_B: length 11.4
  TOP w0.178: U47.7 73.03,209.55 71.49,208.01 R75.1 C65.2
UNNAMED_1_CSMD0805_I64_B: length 13.7
  TOP w0.178: C61.2 90.12,173.62 89.21,172.72 84.11,172.72 83.36,173.47 83.36,175.26 ; 83.36,175.26 82.55,175.26 81.92,175.9 U43.6 ; 83.36,175.26 84.96,175.26
UNNAMED_1_CSMD0805_I70_B: length 11.3
  TOP w0.178: v1(84.82,184.78) R66.1 84.82,180.07 83.19,178.44 U43.5
  BOTTOM w0.178: C59.2 85.09,186.6 84.82,186.33 v1(84.82,184.78)
UNNAMED_1_CSMD0805_I71_A: length 15.4
  TOP w0.178: C58.1 R68.1 87.9,180.61 86.36,179.07 86.36,175.07 85.28,173.99 84.96,173.99
UNNAMED_1_DEFAULTCLKSEL_I1_BCKP: length 60.2
  TOP w0.178: R160.2 317.91,114.08 318.82,114.98 320.75,114.98 ; 320.75,114.98 U83.23 ; 320.75,114.98 320.12,114.35 320.12,113.08 320.75,112.44 U83.25 322.15,110.67 v1(322.02,110.54) ; U30.19 330.56,86.08 330.38,85.9 ; 330.38,85.9 U30.18 ; 330.38,85.9 330.38,90.64 331.18,91.44 331.18,105.76 333.38,107.95 333.38,111.86 333.32,111.91 U83.5 334.72,112.44 335.36,111.81 v1(335.36,110.54)
  BOTTOM w0.178: v1(322.02,110.54) v1(335.36,110.54)
